# Altium PCB ROBOT1.PcbDoc (part 4 of 7) (continued)
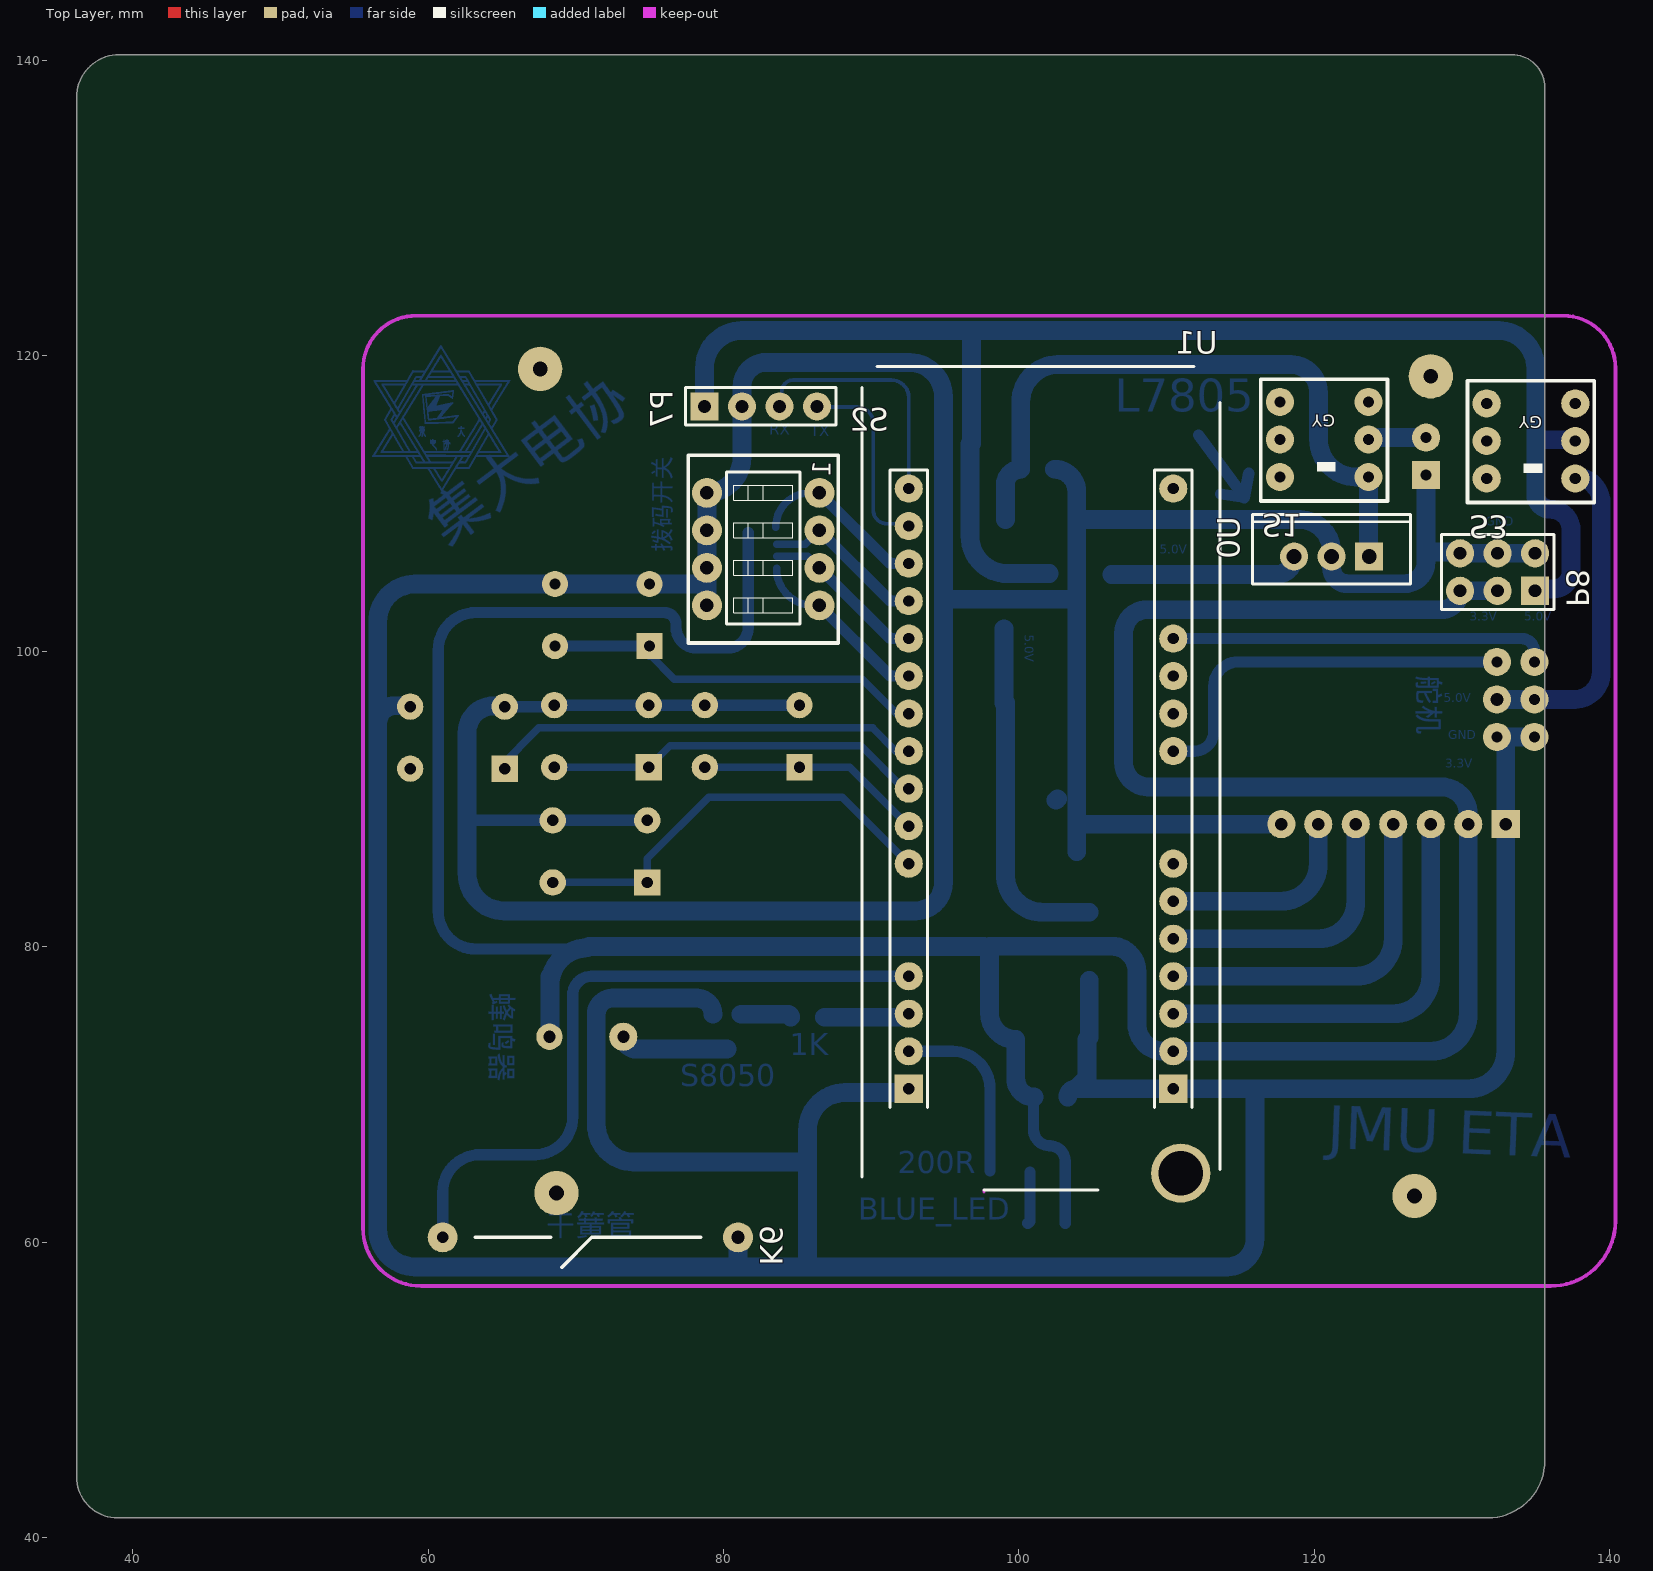
[diagram p0: Top Layer view]
## Nets (pads, with @x,y where several pads share a name; then routed paths per layer and width w, separated by ;. In a path a pad name is that pad's centre, name@x,y a point inside that pad or via, vN(x,y) a via of type N, cw(c..) or ccw(c..) an arc to the next point about the centre after c; other vN are vias at no path point) (continued)
60.277,112.041 ; 60.187,112.051 60.277,112.051 ; 60.187,114.097 60.267,114.097 ; 60.187,116.792 60.586,116.792 ; 60.187,116.802 60.586,116.802 ; 60.187,118.989 61.544,118.989 ; 60.187,118.999 61.544,118.999 ; 60.187,119.637 60.277,119.637 ; 60.187,119.647 60.287,119.647 ; 60.197,112.031 60.277,112.031 ; 60.197,114.087 60.456,114.087 ; 60.197,115.505 60.317,115.505 ; 60.197,115.744 60.656,115.744 ; 60.197,116.812 60.586,116.812 ; 60.197,119.009 61.534,119.009 ; 60.197,119.019 60.297,119.019 ; 60.197,119.657 60.287,119.657 ; 60.197,119.667 60.297,119.667 ; 60.207,112.011 60.297,112.011 ; 60.207,112.021 60.287,112.021 ; 60.207,116.822 60.596,116.822 ; 60.207,116.832 60.596,116.832 ; 60.207,119.029 60.297,119.029 ; 60.207,119.677 60.307,119.677 ; 60.217,111.991 60.307,111.991 ; 60.217,112.001 60.297,112.001 ; 60.217,114.187 60.436,114.187 ; 60.217,116.842 60.606,116.842 ; 60.217,119.038 60.297,119.038 ; 60.217,119.048 60.307,119.048 ; 60.217,119.687 60.317,119.687 ; 60.217,119.697 60.317,119.697 ; 60.227,111.981 60.317,111.981 ; 60.227,114.077 60.436,114.077 ; 60.227,117.481 60.706,117.481 ; 60.227,119.058 60.317,119.058 ; 60.227,119.068 60.317,119.068 ; 60.227,119.707 60.327,119.707 ; 60.227,119.717 60.327,119.717 ; 60.237,111.961 60.327,111.961 ; 60.237,111.971 60.317,111.971 ; 60.237,116.852 60.606,116.852 ; 60.237,116.862 60.616,116.862 ; 60.237,119.078 60.317,119.078 ; 60.237,119.088 60.327,119.088 ; 60.237,119.727 60.337,119.727 ; 60.247,111.951 60.337,111.951 ; 60.247,114.067 60.426,114.067 ; 60.247,116.872 60.616,116.872 ; 60.247,119.098 60.337,119.098 ; 60.247,119.737 60.337,119.737 ; 60.247,119.747 60.347,119.747 ; 60.257,111.931 60.347,111.931 ; 60.257,111.941 60.337,111.941 ; 60.257,114.057 60.397,114.057 ; 60.257,116.882 60.616,116.882 ; 60.257,116.892 60.626,116.892 ; 60.257,119.108 60.347,119.108 ; 60.257,119.118 60.347,119.118 ; 60.257,119.757 60.357,119.757 ; 60.257,119.767 60.367,119.767 ; 60.267,111.921 60.347,111.921 ; 60.267,116.902 60.626,116.902 ; 60.267,117.491 60.776,117.491 ; 60.267,119.128 60.357,119.128 ; 60.267,119.777 60.367,119.777 ; 60.277,111.891 60.367,111.891 ; 60.277,111.901 60.367,111.901 ; 60.277,111.911 60.357,111.911 ; 60.277,116.912 60.626,116.912 ; 60.277,116.922 60.636,116.922 ; 60.277,119.138 60.367,119.138 ; 60.277,119.148 60.367,119.148 ; 60.277,119.787 60.377,119.787 ; 60.277,119.797 60.377,119.797 ; 60.287,111.881 60.377,111.881 ; 60.287,114.097 60.466,114.097 ; 60.287,114.297 60.367,114.297 ; 60.287,116.932 60.636,116.932 ; 60.287,118.28 61.734,118.28 ; 60.287,119.158 60.377,119.158 ; 60.287,119.807 60.387,119.807 ; 60.287,119.817 60.387,119.817 ; 60.297,111.861 60.387,111.861 ; 60.297,111.871 60.377,111.871 ; 60.297,113.978 60.347,113.978 ; 60.297,113.987 60.347,113.987 ; 60.297,113.997 60.347,113.997 ; 60.297,114.007 60.347,114.007 ; 60.297,114.017 60.337,114.017 ; 60.297,114.027 60.337,114.027 ; 60.297,114.037 60.337,114.037 ; 60.297,114.047 60.347,114.047 ; 60.297,114.107 60.357,114.107 ; 60.297,114.307 60.337,114.307 ; 60.297,114.317 60.337,114.317 ; 60.297,114.327 60.337,114.327 ; 60.297,114.337 60.337,114.337 ; 60.297,114.347 60.337,114.347 ; 60.297,116.942 60.646,116.942 ; 60.297,118.619 60.536,118.619 ; 60.297,119.168 60.377,119.168 ; 60.297,119.178 60.387,119.178 ; 60.297,119.827 60.397,119.827 ; 60.307,111.851 60.397,111.851 ; 60.307,113.968 60.357,113.968 ; 60.307,114.117 60.347,114.117 ; 60.307,114.127 60.347,114.127 ; 60.307,114.137 60.347,114.137 ; 60.307,114.147 60.347,114.147 ; 60.307,114.157 60.347,114.157 ; 60.307,114.167 60.347,114.167 ; 60.307,114.177 60.357,114.177 ; 60.307,114.237 60.347,114.237 ; 60.307,114.247 60.337,114.247 ; 60.307,114.257 60.347,114.257 ; 60.307,114.357 60.327,114.357 ; 60.307,116.952 60.646,116.952 ; 60.307,119.188 60.397,119.188 ; 60.307,119.837 60.406,119.837 ; 60.307,119.847 60.406,119.847 ; 60.317,111.831 60.406,111.831 ; 60.317,111.841 60.397,111.841 ; 60.317,113.948 60.377,113.948 ; 60.317,113.958 60.367,113.958 ; 60.317,115.754 60.756,115.754 ; 60.317,116.962 60.656,116.962 ; 60.317,116.972 60.656,116.972 ; 60.317,117.351 61.445,117.351 ; 60.317,119.198 60.397,119.198 ; 60.317,119.208 60.397,119.208 ; 60.317,119.857 60.416,119.857 ; 60.317,119.867 60.416,119.867 ; 60.327,111.821 60.416,111.821 ; 60.327,113.938 60.397,113.938 ; 60.327,116.982 60.666,116.982 ; 60.327,119.218 60.406,119.218 ; 60.327,119.228 60.416,119.228 ; 60.327,119.877 60.426,119.877 ; 60.337,111.801 60.426,111.801 ; 60.337,111.811 60.416,111.811 ; 60.337,113.928 60.406,113.928 ; 60.337,115.505 61.714,115.505 ; 60.337,116.992 60.666,116.992 ; 60.337,119.238 60.426,119.238 ; 60.337,119.248 60.426,119.248 ; 60.337,119.887 60.436,119.887 ; 60.337,119.897 60.446,119.897 ; 60.347,111.781 60.436,111.781 ; 60.347,111.791 60.426,111.791 ; 60.347,117.002 60.676,117.002 ; 60.347,119.258 60.436,119.258 ; 60.347,119.907 60.446,119.907 ; 60.357,111.771 60.446,111.771 ; 60.357,113.548 60.367,113.548 ; 60.357,113.918 60.406,113.918 ; 60.357,115.764 60.786,115.764 ; 60.357,117.012 60.676,117.012 ; 60.357,119.268 60.446,119.268 ; 60.357,119.278 60.446,119.278 ; 60.357,119.917 60.456,119.917 ; 60.357,119.927 60.456,119.927 ; 60.367,111.751 60.456,111.751 ; 60.367,111.761 60.446,111.761 ; 60.367,112.38 60.466,112.38 ; 60.367,113.908 60.416,113.908 ; 60.367,117.022 60.676,117.022 ; 60.367,117.032 60.686,117.032 ; 60.367,119.288 60.456,119.288 ; 60.367,119.937 60.466,119.937 ; 60.377,111.741 60.466,111.741 ; 60.377,112.37 60.466,112.37 ; 60.377,113.898 60.426,113.898 ; 60.377,114.227 60.406,114.227 ; 60.377,117.042 60.686,117.042 ; 60.377,117.501 60.886,117.501 ; 60.377,119.298 60.456,119.298 ; 60.377,119.308 60.466,119.308 ; 60.377,119.947 60.466,119.947 ; 60.377,119.957 60.476,119.957 ; 60.387,111.722 60.476,111.722 ; 60.387,111.732 60.466,111.732 ; 60.387,112.35 60.476,112.35 ; 60.387,112.36 60.466,112.36 ; 60.387,113.888 60.436,113.888 ; 60.387,117.052 60.686,117.052 ; 60.387,117.062 60.696,117.062 ; 60.387,119.318 60.476,119.318 ; 60.387,119.328 60.476,119.328 ; 60.387,119.967 60.486,119.967 ; 60.387,119.977 60.486,119.977 ; 60.397,111.702 60.486,111.702 ; 60.397,111.712 60.476,111.712 ; 60.397,112.34 60.486,112.34 ; 60.397,112.45 61.395,112.45 ; 60.397,113.309 60.416,113.309 ; 60.397,113.878 60.446,113.878 ; 60.397,114.107 60.476,114.107 ; 60.397,117.072 60.696,117.072 ; 60.397,119.338 60.486,119.338 ; 60.397,119.987 60.496,119.987 ; 60.397,119.997 60.496,119.997 ; 60.406,111.682 60.496,111.682 ; 60.406,111.692 60.496,111.692 ; 60.406,112.33 60.486,112.33 ; 60.406,113.868 60.456,113.868 ; 60.406,117.082 60.706,117.082 ; 60.406,119.348 60.496,119.348 ; 60.406,119.358 60.496,119.358 ; 60.406,120.007 60.506,120.007 ; 60.416,111.672 60.506,111.672 ; 60.416,112.31 60.496,112.31 ; 60.416,112.32 60.496,112.32 ; 60.416,113.858 60.466,113.858 ; 60.416,114.117 60.486,114.117 ; 60.416,117.092 60.706,117.092 ; 60.416,117.102 60.706,117.102 ; 60.416,117.511 60.936,117.511 ; 60.416,119.368 60.506,119.368 ; 60.416,119.378 60.506,119.378 ; 60.416,120.017 60.506,120.017 ; 60.416,120.027 60.516,120.027 ; 60.426,111.662 60.506,111.662 ; 60.426,112.291 60.516,112.291 ; 60.426,112.3 60.506,112.3 ; 60.426,113.848 60.476,113.848 ; 60.426,114.127 60.496,114.127 ; 60.426,117.112 60.716,117.112 ; 60.426,119.388 60.516,119.388 ; 60.426,120.037 60.526,120.037 ; 60.426,120.047 60.536,120.047 ; 60.436,111.642 60.526,111.642 ; 60.436,111.652 60.516,111.652 ; 60.436,112.281 60.516,112.281 ; 60.436,113.838 60.486,113.838 ; 60.436,117.122 60.716,117.122 ; 60.436,119.398 60.516,119.398 ; 60.436,119.408 60.526,119.408 ; 60.436,120.057 60.536,120.057 ; 60.436,120.067 60.546,120.067 ; 60.446,111.632 60.526,111.632 ; 60.446,112.261 60.536,112.261 ; 60.446,112.271 60.526,112.271 ; 60.446,113.818 60.496,113.818 ; 60.446,113.828 60.496,113.828 ; 60.446,114.137 60.496,114.137 ; 60.446,114.187 60.526,114.187 ; 60.446,115.774 60.886,115.774 ; 60.446,117.132 60.726,117.132 ; 60.446,119.418 60.536,119.418 ; 60.446,119.428 60.536,119.428 ; 60.446,120.077 60.546,120.077 ; 60.456,111.612 60.536,111.612 ; 60.456,111.622 60.536,111.622 ; 60.456,112.241 60.546,112.241 ; 60.456,112.251 60.536,112.251 ; 60.456,113.808 60.506,113.808 ; 60.456,114.147 60.506,114.147 ; 60.456,114.157 60.516,114.157 ; 60.456,114.177 60.516,114.177 ; 60.456,114.227 60.526,114.227 ; 60.456,114.257 60.526,114.257 ; 60.456,117.142 60.726,117.142 ; 60.456,119.438 60.546,119.438 ; 60.456,120.087 60.556,120.087 ; 60.466,111.592 60.556,111.592 ; 60.466,111.602 60.546,111.602 ; 60.466,112.231 60.556,112.231 ; 60.466,113.798 60.516,113.798 ; 60.466,114.167 60.516,114.167 ; 60.466,114.237 60.526,114.237 ; 60.466,114.247 60.526,114.247 ; 60.466,115.784 60.946,115.784 ; 60.466,117.152 60.726,117.152 ; 60.466,117.162 60.736,117.162 ; 60.466,119.448 60.556,119.448 ; 60.466,119.458 60.556,119.458 ; 60.466,120.097 60.566,120.097 ; 60.466,120.107 60.566,120.107 ; 60.476,111.572 60.566,111.572 ; 60.476,111.582 60.556,111.582 ; 60.476,112.211 60.566,112.211 ; 60.476,112.221 60.556,112.221 ; 60.476,113.788 60.526,113.788 ; 60.476,117.172 60.736,117.172 ; 60.476,119.468 60.566,119.468 ; 60.476,119.478 60.566,119.478 ; 60.476,120.117 60.576,120.117 ; 60.476,120.127 60.576,120.127 ; 60.486,111.562 60.576,111.562 ; 60.486,112.191 60.576,112.191 ; 60.486,112.201 60.566,112.201 ; 60.486,113.768 60.536,113.768 ; 60.486,113.778 60.526,113.778 ; 60.486,114.297 60.506,114.297 ; 60.486,117.182 60.746,117.182 ; 60.486,119.488 60.576,119.488 ; 60.486,120.137 60.586,120.137 ; 60.496,111.542 60.586,111.542 ; 60.496,111.552 60.576,111.552 ; 60.496,112.181 60.586,112.181 ; 60.496,113.748 60.546,113.748 ; 60.496,113.758 60.536,113.758 ; 60.496,117.192 60.746,117.192 ; 60.496,117.202 60.746,117.202 ; 60.496,119.498 60.586,119.498 ; 60.496,119.508 60.586,119.508 ; 60.496,120.147 60.596,120.147 ; 60.496,120.156 60.596,120.156 ; 60.506,111.522 60.596,111.522 ; 60.506,111.532 60.586,111.532 ; 60.506,112.161 60.596,112.161 ; 60.506,112.171 60.586,112.171 ; 60.506,117.212 60.756,117.212 ; 60.506,119.518 60.596,119.518 ; 60.506,120.166 60.606,120.166 ; 60.506,120.176 60.616,120.176 ; 60.516,111.512 60.606,111.512 ; 60.516,112.151 60.596,112.151 ; 60.516,113.718 60.566,113.718 ; 60.516,113.728 60.556,113.728 ; 60.516,113.738 60.556,113.738 ; 60.516,117.222 60.756,117.222 ; 60.516,117.232 60.766,117.232 ; 60.516,119.528 60.606,119.528 ; 60.516,119.538 60.606,119.538 ; 60.516,120.186 60.616,120.186 ; 60.516,120.196 60.626,120.196 ; 60.526,111.492 60.616,111.492 ; 60.526,111.502 60.606,111.502 ; 60.526,112.131 60.616,112.131 ; 60.526,112.141 60.606,112.141 ; 60.526,113.708 60.576,113.708 ; 60.526,117.242 60.766,117.242 ; 60.526,119.548 60.616,119.548 ; 60.526,120.206 60.626,120.206 ; 60.536,111.472 60.626,111.472 ; 60.536,111.482 60.626,111.482 ; 60.536,112.111 60.626,112.111 ; 60.536,112.121 60.616,112.121 ; 60.536,113.688 60.576,113.688 ; 60.536,113.698 60.576,113.698 ; 60.536,117.252 60.776,117.252 ; 60.536,117.521 61.045,117.521 ; 60.536,119.558 60.616,119.558 ; 60.536,119.568 60.626,119.568 ; 60.536,120.216 60.636,120.216 ; 60.536,120.226 60.646,120.226 ; 60.546,111.462 60.636,111.462 ; 60.546,112.091 60.636,112.091 ; 60.546,112.101 60.626,112.101 ; 60.546,113.668 60.586,113.668 ; 60.546,113.678 60.586,113.678 ; 60.546,116.613 61.485,116.613 ; 60.546,117.262 60.776,117.262 ; 60.546,119.578 60.636,119.578 ; 60.546,119.588 60.636,119.588 ; 60.546,120.236 60.646,120.236 ; 60.556,111.442 60.646,111.442 ; 60.556,111.452 60.636,111.452 ; 60.556,112.081 60.646,112.081 ; 60.556,113.658 60.586,113.658 ; 60.556,117.272 60.776,117.272 ; 60.556,117.302 60.786,117.302 ; 60.556,119.597 60.646,119.597 ; 60.556,120.246 60.656,120.246 ; 60.556,120.256 60.656,120.256 ; 60.566,111.432 60.656,111.432 ; 60.566,112.071 60.646,112.071 ; 60.566,117.282 60.786,117.282 ; 60.566,117.292 60.786,117.292 ; 60.566,119.607 60.656,119.607 ; 60.566,119.617 60.656,119.617 ; 60.566,120.266 60.666,120.266 ; 60.566,120.276 60.676,120.276 ; 60.576,111.412 60.666,111.412 ; 60.576,111.422 60.656,111.422 ; 60.576,112.051 60.666,112.051 ; 60.576,112.061 60.656,112.061 ; 60.576,113.648 60.586,113.648 ; 60.576,117.361 61.435,117.361 ; 60.576,118.619 61.345,118.619 ; 60.576,119.627 60.666,119.627 ; 60.576,119.637 60.666,119.637 ; 60.576,120.286 60.676,120.286 ; 60.586,111.402 60.666,111.402 ; 60.586,112.031 60.676,112.031 ; 60.586,112.041 60.666,112.041 ; 60.586,115.794 61.055,115.794 ; 60.586,119.647 60.676,119.647 ; 60.586,120.296 60.686,120.296 ; 60.586,120.306 60.686,120.306 ; 60.596,111.382 60.686,111.382 ; 60.596,111.392 60.676,111.392 ; 60.596,112.021 60.676,112.021 ; 60.596,117.531 61.085,117.531 ; 60.596,119.657 60.686,119.657 ; 60.596,119.667 60.686,119.667 ; 60.596,120.316 60.696,120.316 ; 60.606,111.362 60.696,111.362 ; 60.606,111.372 60.686,111.372 ; 60.606,112.001 60.696,112.001 ; 60.606,112.011 60.686,112.011 ; 60.606,116.623 61.495,116.623 ; 60.606,119.677 60.696,119.677 ; 60.606,120.326 60.706,120.326 ; 60.606,120.336 60.706,120.336 ; 60.616,111.342 60.706,111.342 ; 60.616,111.352 60.706,111.352 ; 60.616,111.981 60.706,111.981 ; 60.616,111.991 60.696,111.991 ; 60.616,115.804 61.085,115.804 ; 60.616,119.687 60.706,119.687 ; 60.616,119.697 60.706,119.697 ; 60.616,120.346 60.716,120.346 ; 60.616,120.356 60.726,120.356 ; 60.626,111.332 60.716,111.332 ; 60.626,111.971 60.706,111.971 ; 60.626,115.814 61.185,115.814 ; 60.626,116.633 61.505,116.633 ; 60.626,119.707 60.706,119.707 ; 60.626,119.717 60.716,119.717 ; 60.626,120.366 60.726,120.366 ; 60.626,120.376 60.736,120.376 ; 60.636,111.312 60.726,111.312 ; 60.636,111.322 60.726,111.322 ; 60.636,111.951 60.726,111.951 ; 60.636,111.961 60.716,111.961 ; 60.636,115.824 61.235,115.824 ; 60.636,119.727 60.726,119.727 ; 60.636,120.386 60.746,120.386 ; 60.646,111.292 60.736,111.292 ; 60.646,111.302 60.736,111.302 ; 60.646,111.941 60.726,111.941 ; 60.646,115.834 60.816,115.834 ; 60.646,115.844 60.816,115.844 ; 60.646,118.11 62.093,118.11 ; 60.646,119.737 60.736,119.737 ; 60.646,119.747 60.736,119.747 ; 60.646,120.396 60.746,120.396 ; 60.646,120.406 60.756,120.406 ; 60.656,111.282 60.746,111.282 ; 60.656,111.921 60.746,111.921 ; 60.656,111.931 60.736,111.931 ; 60.656,115.854 60.826,115.854 ; 60.656,115.864 60.836,115.864 ; 60.656,117.371 60.666,117.371 ; 60.656,119.757 60.746,119.757 ; 60.656,119.767 60.746,119.767 ; 60.656,120.416 60.756,120.416 ; 60.666,111.262 60.756,111.262 ; 60.666,111.272 60.756,111.272 ; 60.666,111.901 60.756,111.901 ; 60.666,111.911 60.746,111.911 ; 60.666,119.777 60.756,119.777 ; 60.666,119.787 60.766,119.787 ; 60.666,120.426 60.766,120.426 ; 60.666,120.436 60.766,120.436 ; 60.676,111.252 60.766,111.252 ; 60.676,111.891 60.766,111.891 ; 60.676,115.874 60.846,115.874 ; 60.676,115.884 60.856,115.884 ; 60.676,117.541 61.185,117.541 ; 60.676,119.797 60.766,119.797 ; 60.676,120.446 60.776,120.446 ; 60.686,111.232 60.776,111.232 ; 60.686,111.242 60.766,111.242 ; 60.686,111.871 60.766,111.871 ; 60.686,111.881 60.766,111.881 ; 60.686,115.894 60.866,115.894 ; 60.686,115.904 60.866,115.904 ; 60.686,117.371 61.415,117.371 ; 60.686,119.807 60.776,119.807 ; 60.686,119.817 60.776,119.817 ; 60.686,120.456 60.786,120.456 ; 60.686,120.466 60.786,120.466 ; 60.696,111.212 60.786,111.212 ; 60.696,111.222 60.786,111.222 ; 60.696,111.851 60.786,111.851 ; 60.696,111.861 60.776,111.861 ; 60.696,115.914 60.876,115.914 ; 60.696,119.827 60.786,119.827 ; 60.696,120.476 60.796,120.476 ; 60.696,120.486 60.806,120.486 ; 60.706,111.202 60.796,111.202 ; 60.706,111.831 60.796,111.831 ; 60.706,111.841 60.786,111.841 ; 60.706,115.515 60.746,115.515 ; 60.706,115.924 60.886,115.924 ; 60.706,116.643 61.515,116.643 ; 60.706,119.837 60.796,119.837 ; 60.706,119.847 60.796,119.847 ; 60.706,120.496 60.806,120.496 ; 60.716,111.182 60.806,111.182 ; 60.716,111.192 60.796,111.192 ; 60.716,111.821 60.806,111.821 ; 60.716,115.934 60.896,115.934 ; 60.716,116.653 61.524,116.653 ; 60.716,119.857 60.806,119.857 ; 60.716,120.506 60.816,120.506 ; 60.716,120.516 60.826,120.516 ; 60.726,111.173 60.816,111.173 ; 60.726,111.801 60.816,111.801 ; 60.726,111.811 60.806,111.811 ; 60.726,115.944 60.906,115.944 ; 60.726,115.954 60.916,115.954 ; 60.726,119.867 60.816,119.867 ; 60.726,119.877 60.816,119.877 ; 60.726,120.526 60.826,120.526 ; 60.736,111.153 60.826,111.153 ; 60.736,111.163 60.816,111.163 ; 60.736,111.791 60.826,111.791 ; 60.736,115.964 60.916,115.964 ; 60.736,119.887 60.826,119.887 ; 60.736,119.897 60.826,119.897 ; 60.736,120.536 60.826,120.536 ; 60.736,120.546 60.836,120.546 ; 60.746,111.133 60.836,111.133 ; 60.746,111.143 60.826,111.143 ; 60.746,111.771 60.836,111.771 ; 60.746,111.781 60.826,111.781 ; 60.746,115.974 60.926,115.974 ; 60.746,115.984 60.936,115.984 ; 60.746,119.907 60.836,119.907 ; 60.746,119.917 60.846,119.917 ; 60.746,120.556 60.846,120.556 ; 60.756,111.113 60.846,111.113 ; 60.756,111.123 60.846,111.123 ; 60.756,111.751 60.846,111.751 ; 60.756,111.761 60.836,111.761 ; 60.756,115.515 60.816,115.515 ; 60.756,115.994 60.946,115.994 ; 60.756,117.551 61.235,117.551 ; 60.756,119.927 60.846,119.927 ; 60.756,120.566 60.856,120.566 ; 60.756,120.576 60.965,120.576 ; 60.766,111.103 60.856,111.103 ; 60.766,111.741 60.856,111.741 ; 60.766,116.004 60.956,116.004 ; 60.766,116.014 60.965,116.014 ; 60.766,119.937 60.856,119.937 ; 60.766,120.586 60.956,120.586 ; 60.776,111.083 60.866,111.083 ; 60.776,111.093 60.866,111.093 ; 60.776,111.722 60.866,111.722 ; 60.776,111.732 60.866,111.732 ; 60.776,116.024 60.975,116.024 ; 60.776,116.034 60.985,116.034 ; 60.776,119.947 60.956,119.947 ; 60.776,119.957 60.946,119.957 ; 60.776,120.596 60.946,120.596 ; 60.776,120.606 60.946,120.606 ; 60.786,111.073 60.866,111.073 ; 60.786,111.702 60.876,111.702 ; 60.786,111.712 60.866,111.712 ; 60.786,116.044 60.985,116.044 ; 60.786,116.054 60.995,116.054 ; 60.786,116.663 61.534,116.663 ; 60.786,119.967 60.946,119.967 ; 60.786,119.977 60.936,119.977 ; 60.786,120.616 60.936,120.616 ; 60.796,111.063 60.876,111.063 ; 60.796,111.692 60.886,111.692 ; 60.796,116.064 61.005,116.064 ; 60.796,119.987 60.936,119.987 ; 60.796,120.626 60.926,120.626 ; 60.796,120.636 60.926,120.636 ; 60.806,111.043 60.896,111.043 ; 60.806,111.053 60.886,111.053 ; 60.806,111.672 60.896,111.672 ; 60.806,111.682 60.886,111.682 ; 60.806,116.074 61.015,116.074 ; 60.806,119.997 60.926,119.997 ; 60.806,120.007 60.916,120.007 ; 60.806,120.646 60.916,120.646 ; 60.816,111.023 60.906,111.023 ; 60.816,111.033 60.896,111.033 ; 60.816,111.662 60.906,111.662 ; 60.816,116.084 61.025,116.084 ; 60.816,116.094 61.025,116.094 ; 60.816,120.017 60.916,120.017 ; 60.816,120.027 60.906,120.027 ; 60.816,120.656 60.916,120.656 ; 60.816,120.666 60.906,120.666 ; 60.826,111.003 60.926,111.003 ; 60.826,111.013 60.916,111.013 ; 60.826,111.642 60.916,111.642 ; 60.826,111.652 60.906,111.652 ; 60.826,116.104 61.035,116.104 ; 60.826,116.114 61.045,116.114 ; 60.826,120.037 60.906,120.037 ; 60.826,120.047 60.896,120.047 ; 60.826,120.676 60.896,120.676 ; 60.836,110.993 61.015,110.993 ; 60.836,111.632 61.025,111.632 ; 60.836,116.124 61.055,116.124 ; 60.836,116.673 61.534,116.673 ; 60.836,120.057 60.886,120.057 ; 60.836,120.686 60.886,120.686 ; 60.846,110.973 61.005,110.973 ; 60.846,110.983 61.015,110.983 ; 60.846,111.602 61.005,111.602 ; 60.846,111.612 61.015,111.612 ; 60.846,111.622 61.015,111.622 ; 60.846,115.515 61.724,115.515 ; 60.846,116.134 61.065,116.134 ; 60.846,120.067 60.886,120.067 ; 60.846,120.077 60.876,120.077 ; 60.846,120.696 60.886,120.696 ; 60.846,120.706 60.876,120.706 ; 60.856,110.953 60.995,110.953 ; 60.856,110.963 60.995,110.963 ; 60.856,111.592 60.995,111.592 ; 60.856,115.834 61.325,115.834 ; 60.856,116.144 61.075,116.144 ; 60.856,116.154 61.075,116.154 ; 60.856,117.561 61.335,117.561 ; 60.856,120.087 60.876,120.087 ; 60.866,110.943 60.985,110.943 ; 60.866,111.572 60.985,111.572 ; 60.866,111.582 60.985,111.582 ; 60.866,116.164 61.085,116.164 ; 60.866,116.683 61.544,116.683 ; 60.876,110.923 60.975,110.923 ; 60.876,110.933 60.985,110.933 ; 60.876,111.562 60.975,111.562 ; 60.876,116.174 61.095,116.174 ; 60.876,116.184 61.105,116.184 ; 60.876,119.937 60.965,119.937 ; 60.876,120.566 60.965,120.566 ; 60.886,110.903 60.965,110.903 ; 60.886,110.913 60.975,110.913 ; 60.886,111.542 60.965,111.542 ; 60.886,111.552 60.975,111.552 ; 60.886,116.194 61.115,116.194 ; 60.886,119.907 60.985,119.907 ; 60.886,119.917 60.975,119.917 ; 60.886,119.927 60.965,119.927 ; 60.886,120.556 60.975,120.556 ; 60.896,110.893 60.956,110.893 ; 60.896,116.204 61.125,116.204 ; 60.896,116.214 61.135,116.214 ; 60.896,117.381 61.405,117.381 ; 60.896,119.897 60.985,119.897 ; 60.896,120.536 60.985,120.536 ; 60.896,120.546 60.975,120.546 ; 60.906,110.873 60.936,110.873 ; 60.906,110.883 60.946,110.883 ; 60.906,116.224 61.145,116.224 ; 60.906,116.233 61.155,116.233 ; 60.906,117.571 61.405,117.571 ; 60.906,119.877 60.995,119.877 ; 60.906,119.887 60.995,119.887 ; 60.906,120.516 60.995,120.516 ; 60.906,120.526 60.985,120.526 ; 60.916,116.243 61.155,116.243 ; 60.916,116.693 61.554,116.693 ; 60.916,119.867 61.005,119.867 ; 60.916,120.506 61.005,120.506 ; 60.926,115.844 61.375,115.844 ; 60.926,116.253 61.165,116.253 ; 60.926,119.847 61.015,119.847 ; 60.926,119.857 61.015,119.857 ; 60.926,120.486 61.015,120.486 ; 60.926,120.496 61.005,120.496 ; 60.936,111.003 61.025,111.003 ; 60.936,111.642 61.025,111.642 ; 60.936,116.263 61.175,116.263 ; 60.936,116.273 61.185,116.273 ; 60.936,119.837 61.025,119.837 ; 60.936,120.476 61.015,120.476 ; 60.946,111.013 61.025,111.013 ; 60.946,111.023 61.035,111.023 ; 60.946,111.532 60.956,111.532 ; 60.946,111.652 61.035,111.652 ; 60.946,116.283 61.195,116.283 ; 60.946,116.293 61.205,116.293 ; 60.946,119.817 61.035,119.817 ; 60.946,119.827 61.035,119.827 ; 60.946,120.456 61.035,120.456 ; 60.946,120.466 61.025,120.466 ; 60.956,111.033 61.045,111.033 ; 60.956,111.662 61.045,111.662 ; 60.956,111.672 61.045,111.672 ; 60.956,116.303 61.215,116.303 ; 60.956,119.807 61.045,119.807 ; 60.956,120.446 61.035,120.446 ; 60.965,111.043 61.045,111.043 ; 60.965,111.053 61.055,111.053 ; 60.965,111.682 61.055,111.682 ; 60.965,111.692 61.055,111.692 ; 60.965,116.313 61.225,116.313 ; 60.965,116.323 61.225,116.323 ; 60.965,119.787 61.055,119.787 ; 60.965,119.797 61.045,119.797 ; 60.965,120.426 61.045,120.426 ; 60.965,120.436 61.045,120.436 ; 60.975,111.063 61.065,111.063 ; 60.975,111.073 61.065,111.073 ; 60.975,111.702 61.065,111.702 ; 60.975,114.227 61.165,114.227 ; 60.975,116.333 61.235,116.333 ; 60.975,116.343 61.235,116.343 ; 60.975,116.703 61.564,116.703 ; 60.975,119.767 61.065,119.767 ; 60.975,119.777 61.065,119.777 ; 60.975,120.406 61.055,120.406 ; 60.975,120.416 61.055,120.416 ; 60.985,111.083 61.075,111.083 ; 60.985,111.712 61.065,111.712 ; 60.985,111.722 61.075,111.722 ; 60.985,114.207 61.155,114.207 ; 60.985,114.217 61.165,114.217 ; 60.985,114.237 61.155,114.237 ; 60.985,116.353 61.245,116.353 ; 60.985,119.747 61.085,119.747 ; 60.985,119.757 61.075,119.757 ; 60.985,120.396 61.065,120.396 ; 60.995,111.093 61.075,111.093 ; 60.995,111.732 61.085,111.732 ; 60.995,116.363 61.265,116.363 ; 60.995,116.383 61.275,116.383 ; 60.995,119.737 61.085,119.737 ; 60.995,120.376 61.075,120.376 ; 60.995,120.386 61.075,120.386 ; 61.005,111.103 61.085,111.103 ; 61.005,111.113 61.095,111.113 ; 61.005,111.741 61.095,111.741 ; 61.005,111.751 61.095,111.751 ; 61.005,116.373 61.275,116.373 ; 61.005,119.717 61.095,119.717 ; 61.005,119.727 61.095,119.727 ; 61.005,120.366 61.085,120.366 ; 61.015,111.123 61.095,111.123 ; 61.015,111.133 61.105,111.133 ; 61.015,111.761 61.105,111.761 ; 61.015,115.854 61.465,115.854 ; 61.015,117.581 61.495,117.581 ; 61.015,119.707 61.105,119.707 ; 61.015,120.346 61.095,120.346 ; 61.015,120.356 61.095,120.356 ; 61.025,111.143 61.115,111.143 ; 61.025,111.153 61.115,111.153 ; 61.025,111.771 61.105,111.771 ; 61.025,111.781 61.115,111.781 ; 61.025,117.391 61.395,117.391 ; 61.025,119.687 61.115,119.687 ; 61.025,119.697 61.115,119.697 ; 61.025,120.326 61.105,120.326 ; 61.025,120.336 61.105,120.336 ; 61.035,111.163 61.125,111.163 ; 61.035,111.791 61.115,111.791 ; 61.035,111.801 61.125,111.801 ; 61.035,116.713 61.564,116.713 ; 61.035,119.677 61.125,119.677 ; 61.035,120.316 61.115,120.316 ; 61.045,111.173 61.125,111.173 ; 61.045,111.182 61.135,111.182 ; 61.045,111.811 61.135,111.811 ; 61.045,113.758 61.095,113.758 ; 61.045,113.768 61.095,113.768 ; 61.045,113.778 61.095,113.778 ; 61.045,113.788 61.095,113.788 ; 61.045,113.798 61.095,113.798 ; 61.045,113.808 61.095,113.808 ; 61.045,113.818 61.095,113.818 ; 61.045,113.828 61.095,113.828 ; 61.045,113.838 61.095,113.838 ; 61.045,113.848 61.095,113.848 ; 61.045,113.858 61.095,113.858 ; 61.045,113.868 61.095,113.868 ; 61.045,113.878 61.095,113.878 ; 61.045,113.888 61.095,113.888 ; 61.045,113.898 61.095,113.898 ; 61.045,113.908 61.095,113.908 ; 61.045,113.918 61.095,113.918 ; 61.045,113.928 61.095,113.928 ; 61.045,113.938 61.095,113.938 ; 61.045,113.948 61.095,113.948 ; 61.045,113.958 61.095,113.958 ; 61.045,113.968 61.095,113.968 ; 61.045,113.978 61.095,113.978 ; 61.045,113.987 61.095,113.987 ; 61.045,113.997 61.095,113.997 ; 61.045,114.007 61.095,114.007 ; 61.045,114.017 61.095,114.017 ; 61.045,114.027 61.095,114.027 ; 61.045,114.037 61.095,114.037 ; 61.045,114.047 61.095,114.047 ; 61.045,114.057 61.095,114.057 ; 61.045,114.067 61.095,114.067 ; 61.045,114.077 61.095,114.077 ; 61.045,114.087 61.095,114.087 ; 61.045,114.097 61.095,114.097 ; 61.045,114.107 61.095,114.107 ; 61.045,114.117 61.105,114.117 ; 61.045,114.127 61.105,114.127 ; 61.045,114.137 61.105,114.137 ; 61.045,114.147 61.105,114.147 ; 61.045,114.157 61.105,114.157 ; 61.045,114.167 61.105,114.167 ; 61.045,114.177 61.095,114.177 ; 61.045,114.187 61.095,114.187 ; 61.045,114.197 61.105,114.197 ; 61.045,114.297 61.095,114.297 ; 61.045,114.307 61.095,114.307 ; 61.045,114.317 61.095,114.317 ; 61.045,119.657 61.135,119.657 ; 61.045,119.667 61.125,119.667 ; 61.045,120.296 61.125,120.296 ; 61.045,120.306 61.125,120.306 ; 61.055,111.192 61.145,111.192 ; 61.055,111.821 61.135,111.821 ; 61.055,111.831 61.145,111.831 ; 61.055,113.648 61.085,113.648 ; 61.055,113.658 61.085,113.658 ; 61.055,113.668 61.095,113.668 ; 61.055,113.678 61.095,113.678 ; 61.055,113.688 61.095,113.688 ; 61.055,113.698 61.095,113.698 ; 61.055,113.708 61.095,113.708 ; 61.055,113.718 61.095,113.718 ; 61.055,113.728 61.095,113.728 ; 61.055,113.738 61.095,113.738 ; 61.055,113.748 61.095,113.748 ; 61.055,114.247 61.095,114.247 ; 61.055,114.257 61.095,114.257 ; 61.055,114.267 61.085,114.267 ; 61.055,114.277 61.095,114.277 ; 61.055,114.287 61.095,114.287 ; 61.055,114.327 61.085,114.327 ; 61.055,115.864 61.505,115.864 ; 61.055,119.637 61.145,119.637 ; 61.055,119.647 61.145,119.647 ; 61.055,120.276 61.145,120.276 ; 61.055,120.286 61.135,120.286 ; 61.065,111.202 61.145,111.202 ; 61.065,111.212 61.155,111.212 ; 61.065,111.841 61.155,111.841 ; 61.065,111.851 61.155,111.851 ; 61.065,116.723 61.574,116.723 ; 61.065,119.627 61.155,119.627 ; 61.065,120.256 61.155,120.256 ; 61.065,120.266 61.145,120.266 ; 61.075,111.222 61.165,111.222 ; 61.075,111.861 61.165,111.861 ; 61.075,117.591 61.554,117.591 ; 61.075,119.607 61.165,119.607 ; 61.075,119.617 61.165,119.617 ; 61.075,120.246 61.165,120.246 ; 61.085,111.232 61.165,111.232 ; 61.085,111.242 61.175,111.242 ; 61.085,111.871 61.175,111.871 ; 61.085,111.881 61.175,111.881 ; 61.085,119.588 61.175,119.588 ; 61.085,119.597 61.175,119.597 ; 61.085,120.226 61.175,120.226 ; 61.085,120.236 61.165,120.236 ; 61.095,111.252 61.175,111.252 ; 61.095,111.262 61.185,111.262 ; 61.095,111.891 61.185,111.891 ; 61.095,111.901 61.185,111.901 ; 61.095,119.578 61.185,119.578 ; 61.095,120.216 61.185,120.216 ; 61.105,111.272 61.185,111.272 ; 61.105,111.911 61.195,111.911 ; 61.105,116.733 61.584,116.733 ; 61.105,119.558 61.195,119.558 ; 61.105,119.568 61.195,119.568 ; 61.105,120.196 61.195,120.196 ; 61.105,120.206 61.185,120.206 ; 61.115,111.282 61.195,111.282 ; 61.115,111.292 61.205,111.292 ; 61.115,111.921 61.195,111.921 ; 61.115,111.931 61.205,111.931